# Altium PCB PCB_Gateway.PcbDoc (part 1 of 2)
Units mil, origin at the board's own origin, x right, y up, seen from the top; angles counter-clockwise.
Board outline 3595 x 2205 mil, 2 copper layers (Top Layer, Bottom Layer); 108 components, 73 nets, 446 pads, 140 vias.
Unrouted connection lines stored in the file: 5.
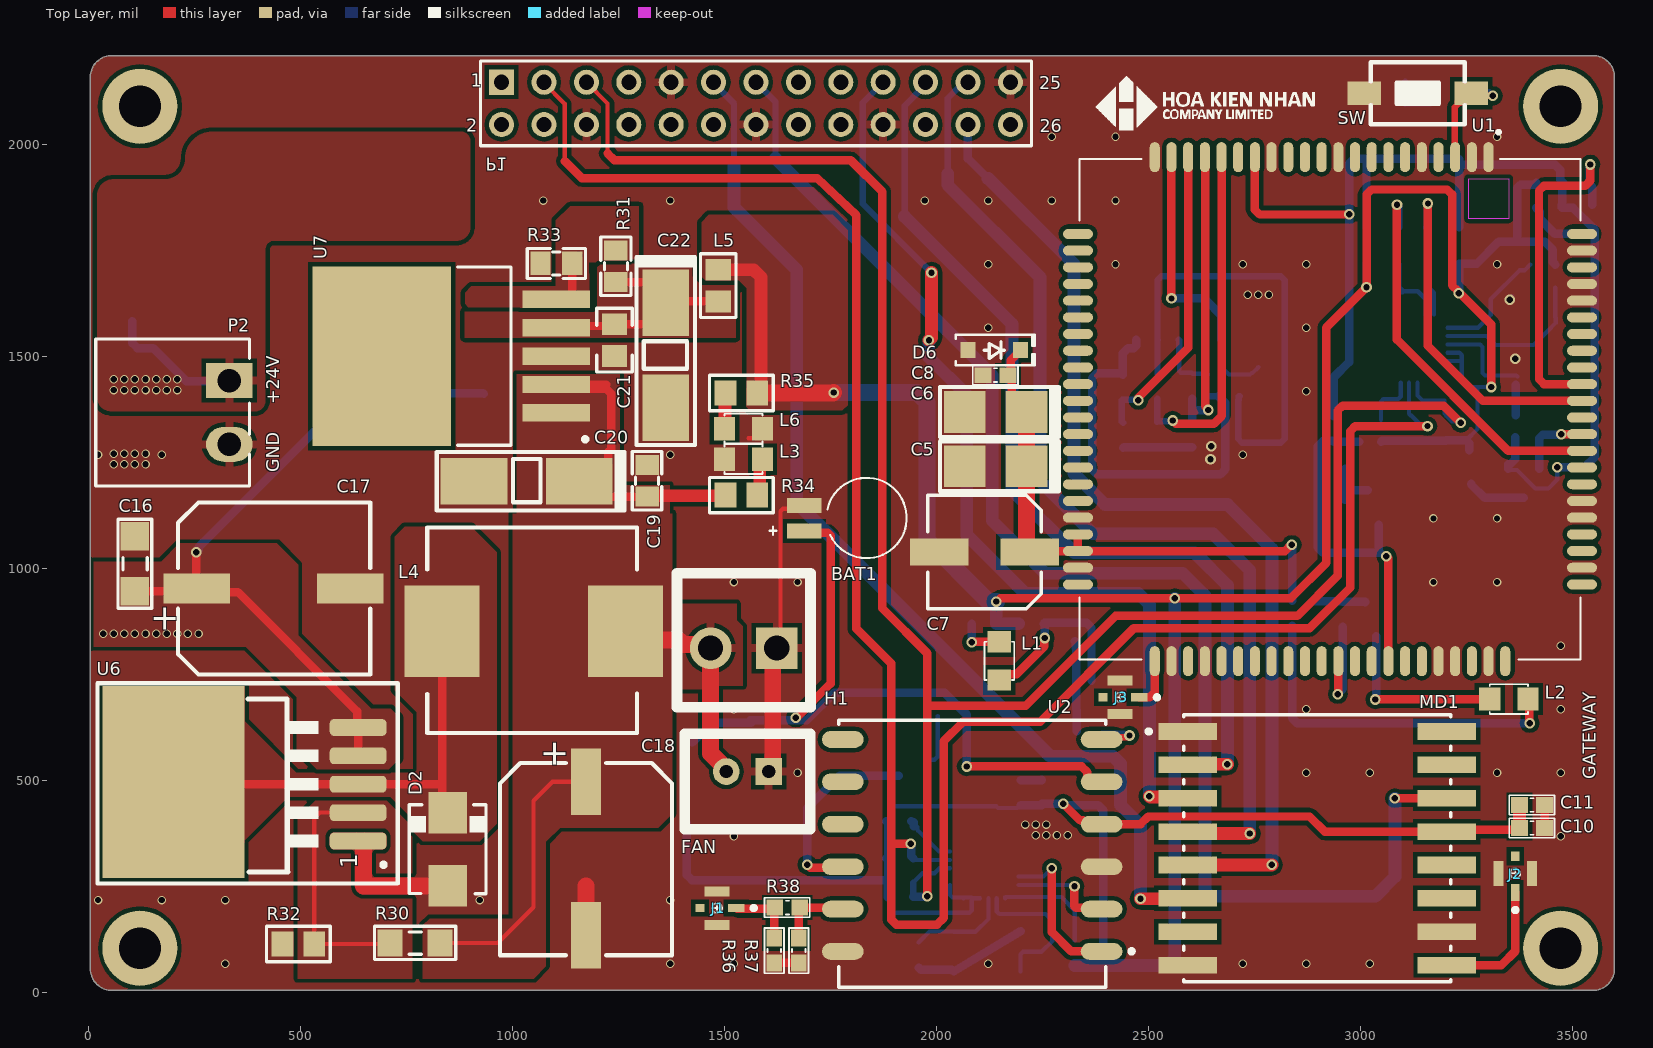
[diagram p0: Top Layer view]
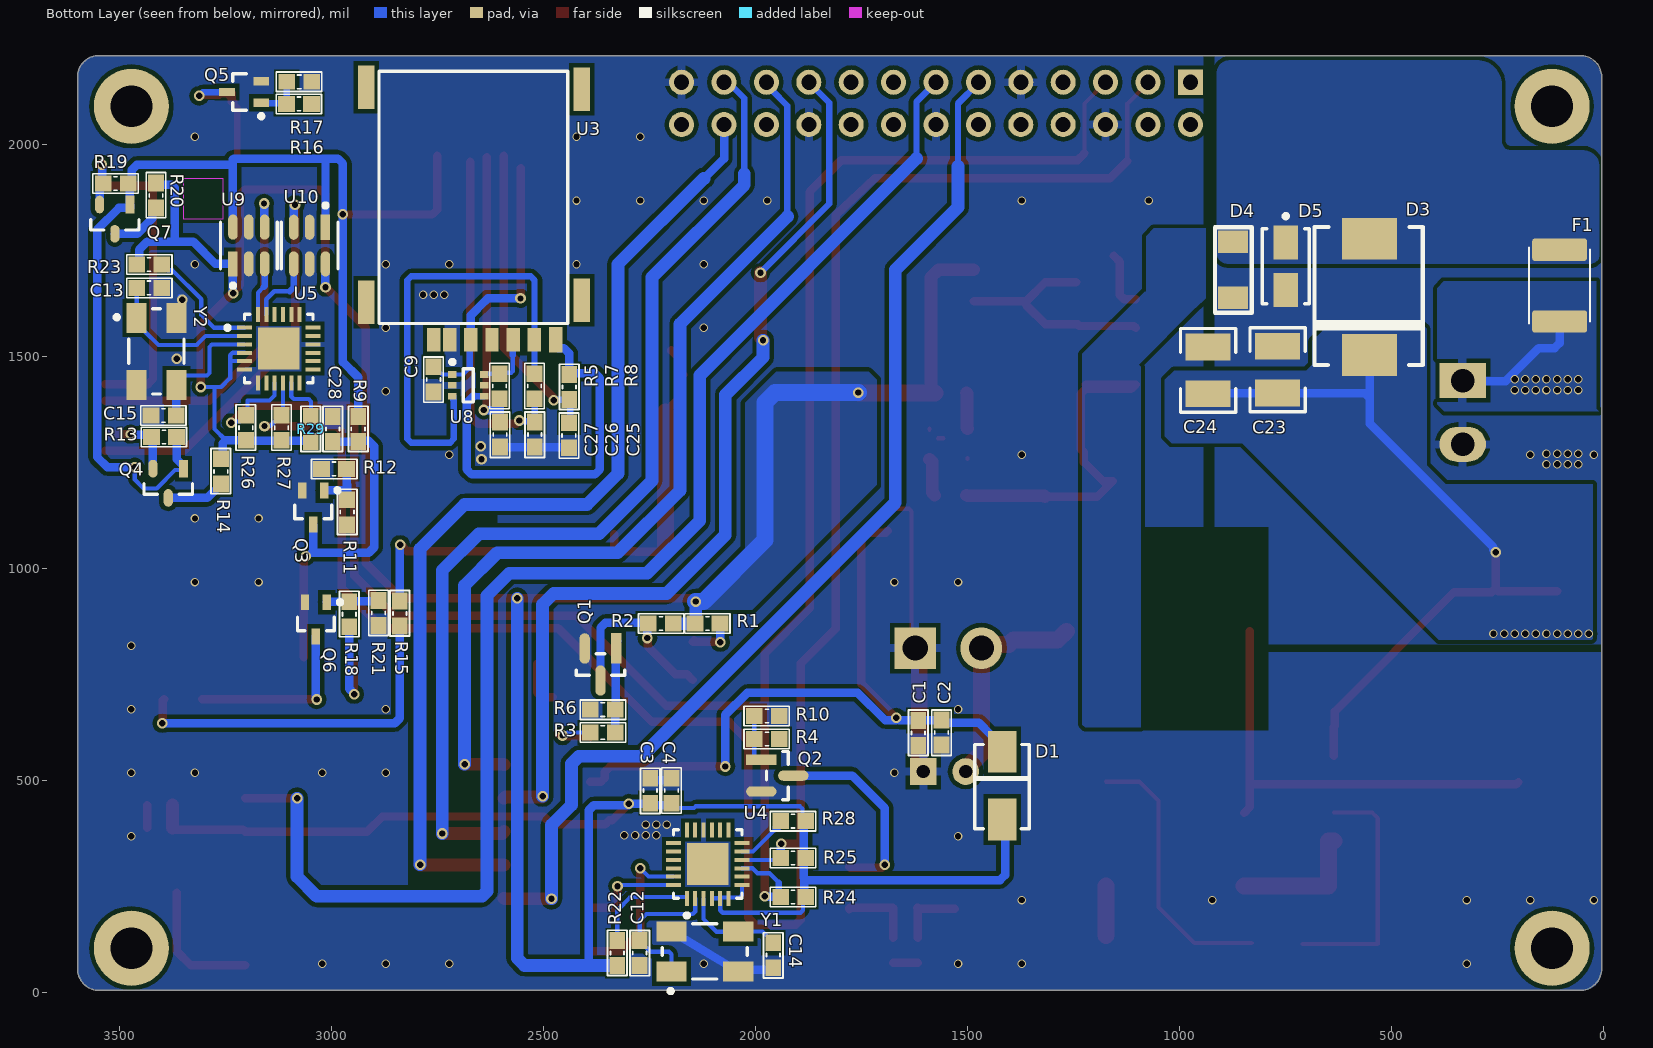
[diagram p1: Bottom Layer view, seen from below]
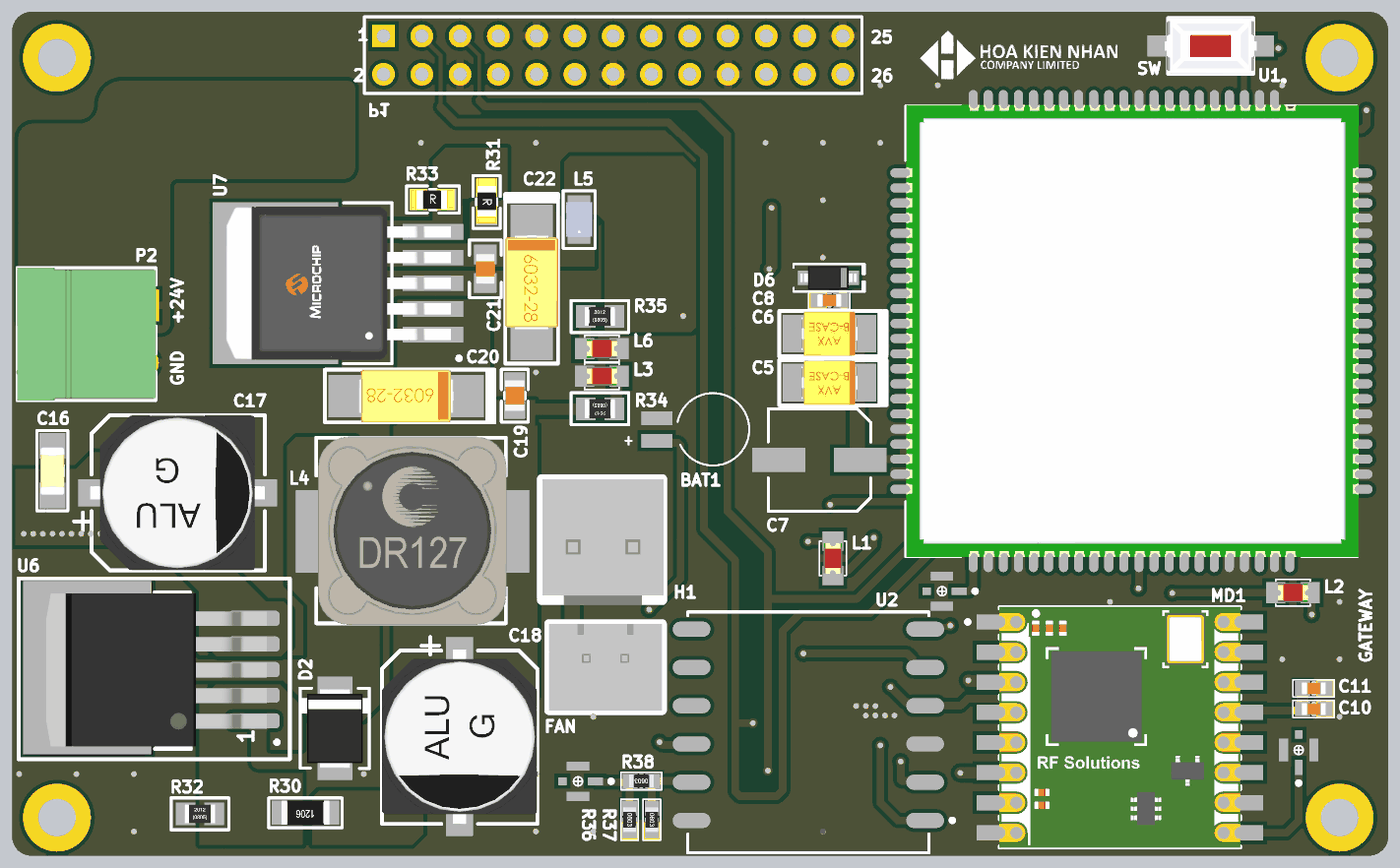
[diagram p3: 3D render of the assembled board from above, using the file's embedded part models]
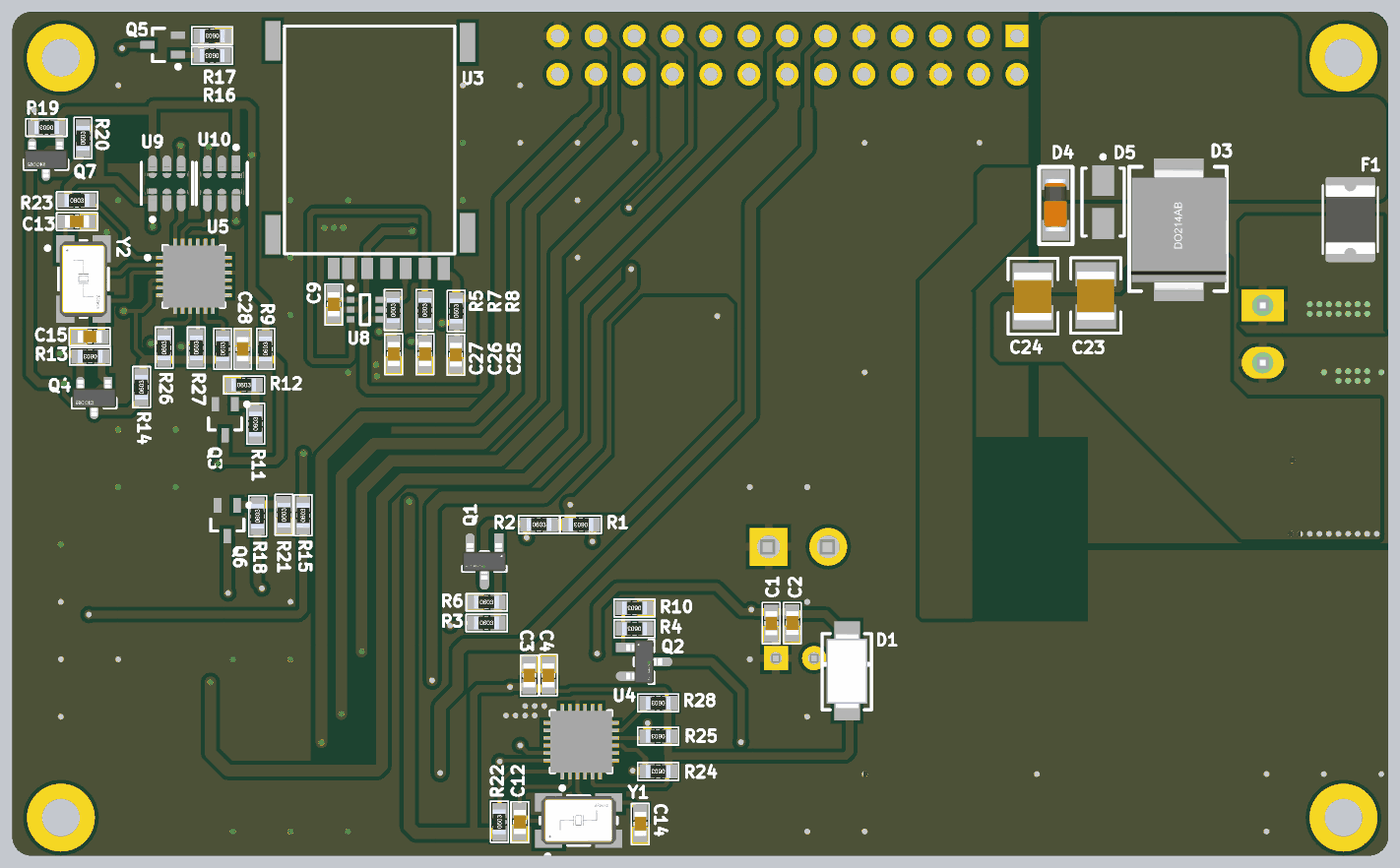
[diagram p4: 3D render of the assembled board from below, using the file's embedded part models]

## Layer stack, top to bottom
Top Solder: solder mask 0.4, Solder Resist, Dk 3.5
Top Layer: signal copper 1.4
Dielectric 1: dielectric 12.6, FR-4, Dk 4.8
Bottom Layer: signal copper 1.4
Bottom Solder: solder mask 0.4, Solder Resist, Dk 3.5

## Board outline
5,55 5,2160 cw(c55,2160) 55,2210 3550,2210 cw(c3550,2160) 3600,2160 3600,55 cw(c3550,55) 3550,5 55,5 cw(c55,55)

## Design rules (kind name [scope] priority, off if disabled: settings)
Clearance Clearance_5 [InNamedPolygon('GND_L01_P034')] p1: gap=25 ignorepadtopadclearanceinfootprint=FALSE
Clearance Clearance_4 [InNamedPolygon('GND_BOT')] p2: gap=25 ignorepadtopadclearanceinfootprint=FALSE
Clearance Clearance_3 [InNamedPolygon('GND_TOP')] p3: gap=25 ignorepadtopadclearanceinfootprint=FALSE
Clearance Clearance_2 [InNamedPolygon('BOT_GND')] p4: gap=25 ignorepadtopadclearanceinfootprint=FALSE
Clearance Clearance_1 [InNamedPolygon('TOP_GND')] p5: gap=25 ignorepadtopadclearanceinfootprint=FALSE
Clearance [All] p6: gap=10 ignorepadtopadclearanceinfootprint=FALSE except(0: Arc-Hole Track-Hole SMDPad-Hole THPad-Hole Via-Hole Fill-Hole Poly-Hole Region-Hole Text-Hole; 5: Arc-Arc Arc-Track Arc-SMDPad Arc-THPad Track-Track Track-SMDPad Track-THPad SMDPad-SMDPad SMDPad-THPad THPad-THPad)
HoleToHoleClearance [All] p1: gap=5 allowstackedmicrovias=TRUE
MinimumSolderMaskSliver [IsText] p1: minsoldermaskwidth=5
PolygonConnect PolygonConnect_1 [All vs IsNamedPolygon('+5_L01_P036')] p1: connectstyle=Direct reliefconductorwidth=10 reliefentries=4 polygonreliefangle="90 Angle" airgapwidth=10
PolygonConnect [All] p2: thpad.connectstyle=Relief thpad.reliefconductorwidth=20 thpad.reliefentries=4 thpad.polygonreliefangle="90 Angle" thpad.airgapwidth=10 smdpad.connectstyle=Direct smdpad.reliefconductorwidth=20 smdpad.reliefentries=4 smdpad.polygonreliefangle="90 Angle" smdpad.airgapwidth=10 via.connectstyle=Direct via.reliefconductorwidth=20 via.reliefentries=4 via.polygonreliefangle="90 Angle" via.airgapwidth=10
RoutingVias [All] p1: holewidth=15 width=25 viastyle="Through Hole" minholewidth=15 minwidth=25 maxholewidth=15 maxwidth=50
SilkToSilkClearance [IsText] p1: silktosilkclearance=5
SilkToSolderMaskClearance [IsText] p1: minsilkscreentomaskgap=5 clearancetoexposedcopper=TRUE
SolderMaskExpansion [IsVia] p1: expansion=4 istentingtop=TRUE
Width [All] p1: maxlimit=40 minlimit=10 preferedwidth=20
26 further rules are at their usual default settings.

## Classes and differential pairs
component class [4]_SIM: C5 C6 C7 C8 C9 C25 C26 C27 C28 D6 J3 L2 Q3 Q4 Q5 Q6 Q7 R5 R7 R8 R9 R11 R12 R13 R14 R15 R16 R17 R18 R19 R20 R21 SW U1 U3 U8 U9 U10
component class [1]_Power: C16 C17 C18 C19 C20 C21 C22 C23 C24 D2 D3 D4 D5 F1 FAN H1 L3 L4 L5 L6 P2 R30 R31 R32 R33 R34 R35 U6 U7
component class [3]_I2C_TO_UART: C12 C13 C14 C15 R22 R23 R24 R25 R26 R27 R28 R29 U4 U5 Y1 Y2
component class [2]_ARM: BAT1 C1 C2 C3 C4 C10 C11 D1 J1 J2 L1 MD1 P1 Q1 Q2 R1 R2 R3 R4 R6 R10 R36 R37 R38 U2

## Components (designator, comment, footprint, x,y, rotation, side; value= is the part's Value field where it differs from the comment)
BAT1 "BAT_MS412FE" MS412FE 1938,1218 r180 top
C1 "10uF" "tu 0603" 1617,612 r90 bottom
C2 "100nF" "tu 0603" 1562,613 r270 bottom
C3 "10uF" "tu 0603" 2249,476 r270 bottom
C4 "100nF" "tu 0603" 2199,476 r90 bottom
C5 "10uF" "tu tantalum smd3528" 2140,1241 r180 top
C6 "10uF" "tu tantalum smd3528" 2140,1369 r180 top
C7 "330uF/6.3V" NIC-CAPA2-6.3X7.7_V 2114,1039 r180 top
C8 "1uF" "tu 0603" 2140,1456 r180 top
C9 "100nF" "tu 0603" 2760,1446 r270 bottom
C10 "10uF" "tu 0603" 3405.53,388 r180 top
C11 "100nF" "tu 0603" 3405.53,442 r180 top
C12 "18pF" "tu 0603" 2274,93 r270 bottom
C13 "18pF" "tu 0603" 3431,1662 r180 bottom
C14 "18pF" "tu 0603" 1959,88 r270 bottom
C15 "18pF" "tu 0603" 3397,1361 r0 bottom
C16 "1uF/50V" 1206 74,1104.04 r270 top
C17 "470uF/35V" CAP_10_10 208.9,752 r0 top
C18 "470uF/35V" CAP_10_10 973,543.9 r270 top
C19 "1uF/0805" "tu 0805" 1318,1207 r90 top
C20 "10uF/16V" 2312 1162.98,1212 r180 top
C21 "100nF/50V" C0805 1321,1408.6 r90 top
C22 "10uF/16V" 2312 1356,1632.02 r270 top
C23 "10uF/50V" 1210 865,1564.88 r270 bottom
C24 "10uF/50V" 1210 1029,1563.12 r270 bottom
C25 "33pF" "tu 0603" 2441,1314 r270 bottom
C26 "33pF" "tu 0603" 2521.5,1316 r270 bottom
C27 "33pF" "tu 0603" 2603.5,1316.03 r270 bottom
C28 "100nF" "tu 0603" 2998,1329 r90 bottom
D1 "1N5819" DO-214AA 1338,334.98 r90 bottom
D2 "SS54" DO-SMB-2 847,347 r90 top
D3 "MBRS340T3" DO214AB_SMC 687,1809.28 r270 bottom
D4 "RLZ30B" SOD_80 819,1610.05 r90 bottom
D5 "SMAJ28A-E3/61" VISH-DO-214AC-2_L 750,1713 r270 bottom
D6 "BZT52C5V1" "DIODE SOD-123" 2137,1515 r0 top
F1 "MF-MSMF150/24X-2" 1812 20,1543.35 r90 bottom
FAN "FAN" XH2.54M-2 1605,521 r180 top (schematic designator H2)
H1 "jack 5v" VH3.96M-2 1546.05,812 r180 top
J1 "ANTEN GPS" TG-RECE-20369-001E-4_V 1483,199 r90 top
J2 "ANTEN GPS" TG-RECE-20369-001E-4_V 3366,281 r0 top
J3 "ANTEN GPS" TG-RECE-20369-001E-4_V 2434,696 r90 top
L1 "LED 0805" LED-0805-Red 2149,827 r270 top
L2 "LED 0805" LED-0805-Red 3396,692 r180 top
L3 "LED 0805" LED-0805-Red 1590.54,1258 r180 top
L4 "33uH/4.2A" IND-12_12_8 1051,852 r0 top
L5 "80Ohm/2.7A" "FER-0805 (2012)" 1534,1587.4 r90 top
L6 "LED 0805" LED-0805-Red 1500.54,1330 r0 top
MD1 "RFM95W-868S2" FP-RFM95W-868S2-MFG 2899,340 r0 top
P1 "Header 13X2" HDR2X13 975,2147 r0 top
P2 "KF-3.81-2-R" 691322310002 199,1368 r270 top
Q1 "MMBT2222A" SOT_23_3 2287.4,872.36 r0 bottom
Q2 "MMBT2222A" SOT_23_3 2048,590.4 r270 bottom
Q3 "BC847BW" INF-SOT323_N 3044,1144 r270 bottom
Q4 "BSS138" FP-SOT23-IPC_C 3386,1201 r270 bottom
Q5 "BC847BW" INF-SOT323_N 3207,2124 r0 bottom
Q6 "BC847BW" INF-SOT323_N 3038,880 r270 bottom
Q7 "BSS138" FP-SOT23-IPC_C 3512,1824 r270 bottom
R1 "1k" "tro smd 0603" 2114,870 r0 bottom
R2 "10K" "tro smd 0603" 2224,870 r180 bottom
R3 "4.7k" "tro smd 0603" 2361,613 r180 bottom
R4 "4.7k" "tro smd 0603" 1974,598 r0 bottom
R5 "220R" "tro smd 0603" 2604.5,1430.03 r90 bottom
R6 "10K" "tro smd 0603" 2361,667 r180 bottom
R7 "220R" "tro smd 0603" 2522,1430 r90 bottom
R8 "220R" "tro smd 0603" 2440,1428 r90 bottom
R9 "4.7k" "tro smd 0603" 2938,1329 r90 bottom
R10 "10K" "tro smd 0603" 1974,652 r0 bottom
R11 "4.7k" "tro smd 0603" 2964,1133 r90 bottom
R12 "47K" "tro smd 0603" 2995,1235 r180 bottom
R13 "4.7K" "tro smd 0603" 3396,1310 r0 bottom
R14 "4.7K" "tro smd 0603" 3262,1229 r90 bottom
R15 "3.3k" "tro smd 0603" 2840,894 r90 bottom
R16 "4.7k" "tro smd 0603" 3077.47,2096 r0 bottom
R17 "47K" "tro smd 0603" 3077,2148 r0 bottom
R18 "4.7k" "tro smd 0603" 2959,892 r90 bottom
R19 "4.7K" "tro smd 0603" 3510,1908 r0 bottom
R20 "4.7K" "tro smd 0603" 3415,1880 r90 bottom
R21 "47k" "tro smd 0603" 2890,895 r90 bottom
R22 "1k" "tro smd 0603" 2327,93 r90 bottom
R23 "1k" "tro smd 0603" 3431,1717 r180 bottom
R24 "4.7k" "tro smd 0603" 1912,225 r0 bottom
R25 "4.7k" "tro smd 0603" 1912,317 r0 bottom
R26 "4.7k" "tro smd 0603" 3203,1332 r90 bottom
R27 "4.7k" "tro smd 0603" 3119,1332 r90 bottom
R28 "1k" "tro smd 0603" 1912,404 r0 bottom
R29 "1k" "tro smd 0603" 3050,1329 r90 bottom
R30 "10.5K" R1206 771.06,116.73 r180 top
R31 "24.9K" "tro smd 0805" 1247,1713 r270 top
R32 "2K" R0805 375.4,39 r0 top
R33 "15K" "tro smd 0805" 1104,1722 r0 top
R34 "1K" R0805 1660.4,1248 r180 top
R35 "1K" R0805 1420.4,1339 r0 top
R36 "0" "tro smd 0603" 1618,99 r270 top
R37 "0" "tro smd 0603" 1676,99 r270 top
R38 "0" "tro smd 0603" 1649,200 r180 top
SW "Tactile" "SW 2P SMD" 3306.02,2219 r180 top
U1 "A7600C-L1" SIMA7600C 2275,1951.83 r270 top
U2 "L80-M39" QUEC-L80-M39-12_V 2085,327 r180 top
U3 "MicroSim" Micro-Sim-7P 2404.84,2182.99 r0 bottom
U4 "SC16IS750IBS,128" FP-SOT616-3-MFG 2113.53,302.71 r90 bottom
U5 "SC16IS750IBS,128" FP-SOT616-3-MFG 3125.28,1518.72 r180 bottom
U6 "IC_XL4015-5V" TO-263-5 719,256 r90 top
U7 "MIC29302WU-TR" FP-C04-012-MFG 807.25,1501 r90 top
U8 "SMF05CT2G" ONSC-SC70-6-419B-02_W_V 2678.4,1432 r180 bottom
U9 "SN74LVC1T45DBVR" FP-DBV0006A-IPC_B 3196,1762 r90 bottom
U10 "SN74LVC1T45DBVR" FP-DBV0006A-IPC_B 3052.6,1761.67 r270 bottom
Y1 "ABM3B-14.7456MHZ-10-1-U-T" FP-ABM3B-MFG 2120.26,96.76 r180 bottom
Y2 "ABM3B-14.7456MHZ-10-1-U-T" FP-ABM3B-MFG 3414,1512 r270 bottom

## Footprints (in the part's own frame and the unit in brackets; to place one, negate y for a bottom-side part, rotate by r counter-clockwise, add the part's x,y. Pads: shape width x height; smd on the part's side, far side on the other; paste and mask are expansions set on the pad)
1206 [mm]
  rect 1.7x1.7 smd: 1(0.712,0.914) 2(4.012,0.914)
  silkscreen extent -0.3,-0.1 5.03,1.93, body extent 0.79,0.11 3.99,1.71, height 0.94
1210 [mm]
  rect 1.6x2.7 smd: 1(1.038,2.438) 2(3.838,2.438)
  silkscreen extent -0.07,0.78 4.95,4.1, body extent 0.85,1.18 4.05,3.68, height 1.3
1812 [mm]
  rrect25% 1.34x3.29 smd: 1(1,2.134) 2(5.3,2.134)
  silkscreen extent 0.87,0.31 5.43,3.96, body extent 0.87,0.51 5.42,3.75, height 1.25
2312 [mm]
  rect 4x2.8 smd: 1(0.127,0.152) 2(6.427,0.152)
  silkscreen extent -2.59,-1.6 8.66,1.9, body extent 0.13,-1.6 6.43,1.9, height 2.79
691322310002 [mm] "Horizontal PCB Header, pitch 3.81mm, 02p"
  rect 2.1x2.794 hole 1.4: 1(-1.905,3.4)
  oval 2.1x2.794 hole 1.4: 2(1.905,3.4)
  silkscreen extent -4.4,-4.6 4.41,4.6, body extent -4.4,-4.6 4.41,4.6, height 7.25
C0805 [mm]
  rect 1.3x1.5 smd: 1(2.352,2.032) 2(4.252,2.032)
  silkscreen extent 1.39,0.97 5.21,3.09, body extent 2.3,1.41 4.3,2.66, height 0.7
CAP_10_10 [mm]
  rect 4x1.8 smd: 1(1.191,5.105) 2(10.391,5.105)
  silkscreen extent 0.08,-0.04 11.59,10.26, body extent -0.01,-0.04 11.59,10.26, height 10.2
"DIODE SOD-123" [mm] "SOD-123"
  rect 0.9x0.95 smd: 1(-1.575,0) 2(1.575,0)
  silkscreen extent -2.3,-0.92 2.41,0.92, body extent -1.86,-0.78 1.86,0.77, height 1.35
DO214AB_SMC [mm] "DIODE_DO214AB_SMC Type"
  rect 2.5x3.3 smd: 1(0.795,3.429) 2(7.765,3.429)
  silkscreen extent 0.1,0.13 8.36,6.6, body extent 0.23,0.28 8.36,6.58, height 2.67
DO-214AA [mm]
  rect 2.5x1.7 smd: 1(1.854,2.057) 2(5.919,2.057)
  silkscreen extent 1.3,0.43 6.35,3.76, body extent 1.36,0.71 6.36,3.41, height 2.25
DO-SMB-2 [mm] "D?"
  rect 2.5x2.3 smd: 1(-2.427,-0.026) 2(1.944,-0.026)
  silkscreen extent -2.91,-2.34 2.43,2.29, body extent -2.9,-1.88 2.4,1.82, height 2.3
"FER-0805 (2012)" [mm]
  rect 1.3x1.5 smd: 1(1.082,1.219) 2(2.982,1.219)
  silkscreen extent 0.12,0.16 3.94,2.28, body extent 0.89,0.35 3.18,2.08, height 1.51
FP-ABM3B-MFG [mm]
  rect 1.8x1.2 smd paste+0 mask+0: 1(-2,-1.2) 2(2,-1.2) 3(2,1.2) 4(-2,1.2)
  silkscreen extent -2.55,-2.5 2.55,1.65, body extent -2.5,-1.6 2.5,1.6, height 1.1
FP-C04-012-MFG [mil]
  rect 41x159 smd paste+0 mask+0: 1(-134,-296.75) 2(-67,-296.75) 3(0,-296.75) 4(67,-296.75) 5(134,-296.75)
  rect 423x327 smd paste+0 mask+0: 6(0,114.75)
  silkscreen extent -210,-370 210,-64, body extent -215,-380 215,282, height 10
FP-DBV0006A-IPC_B [mm]
  rect 1.505x0.57 smd paste+0 mask+0: 1(-1.1,0.95)
  rrect100% 1.505x0.57 smd paste+0 mask+0: 2(-1.1,0) 3(-1.1,-0.95) 4(1.1,-0.95) 5(1.1,0) 6(1.1,0.95)
  silkscreen extent -2.53,-1.7 1.4,1.7, body extent -1.4,-1.45 1.4,1.45, height 1.45
FP-RFM95W-868S2-MFG [mm]
  rect 3.5x1 smd paste+0 mask+0: 1(-7.75,7) 2(-7.75,5) 3(-7.75,3) 4(-7.75,1) 5(-7.75,-1) 6(-7.75,-3) 7(-7.75,-5) 8(-7.75,-7) 9(7.75,-7) 10(7.75,-5) 11(7.75,-3) 12(7.75,-1) 13(7.75,1) 14(7.75,3) 15(7.75,5) 16(7.75,7)
  silkscreen extent -10.22,-8 8,8, body extent -9.6,-8.1 9.6,8.1, height 0.25
FP-SOT23-IPC_C [mm]
  rect 1.059x0.547 smd paste+0 mask+0: 1(-0.877,0.915)
  rrect100% 1.059x0.547 smd paste+0 mask+0: 2(-0.877,-0.915) 3(0.877,0)
  silkscreen extent 0.03,-1.45 0.65,1.45, body extent -1.2,-1.45 1.2,1.45, height 1.1
FP-SOT616-3-MFG [mm]
  rect 0.9x0.24 smd paste-1000 mask+0: 1(-2.05,1.25) 2(-2.05,0.75) 3(-2.05,0.25) 4(-2.05,-0.25) 5(-2.05,-0.75) 6(-2.05,-1.25) 13(2.05,-1.25) 14(2.05,-0.75) 15(2.05,-0.25) 16(2.05,0.25) 17(2.05,0.75) 18(2.05,1.25)
  rect 0.24x0.9 smd paste-1000 mask+0: 7(-1.25,-2.05) 8(-0.75,-2.05) 9(-0.25,-2.05) 10(0.25,-2.05) 11(0.75,-2.05) 12(1.25,-2.05) 19(1.25,2.05) 20(0.75,2.05) 21(0.25,2.05) 22(-0.25,2.05) 23(-0.75,2.05) 24(-1.25,2.05)
  rect 2.5x2.5 smd paste-1000 mask+0: 25(0,0)
  silkscreen extent -3.2,-2.05 2.05,2.05, body extent -2.05,-2.05 2.05,2.05, height 1
HDR2X13 [mm] "Connector; Header; 13x2 Position"
  rect 1.5x1.5 hole 0.9: 1(0,0)
  round 1.5 hole 0.9: 2(0,-2.54) 3(2.54,0) 4(2.54,-2.54) 5(5.08,0) 6(5.08,-2.54) 7(7.62,0) 8(7.62,-2.54) 9(10.16,0) 10(10.16,-2.54) 11(12.7,0) 12(12.7,-2.54) 13(15.24,0) 14(15.24,-2.54) 15(17.78,0) 16(17.78,-2.54) 17(20.32,0) 18(20.32,-2.54) 19(22.86,0) 20(22.86,-2.54) 21(25.4,0) 22(25.4,-2.54) 23(27.94,0) 24(27.94,-2.54) 25(30.48,0) 26(30.48,-2.54)
  silkscreen extent -1.27,-3.81 31.75,1.27
IND-12_12_8 [mm]
  rect 4.5x5.5 smd: 1(-5.5,0) 2(5.5,0)
  silkscreen extent -6.39,-6.1 6.18,6.22, body extent -6.27,-6.2 6.23,6.3, height 8
INF-SOT323_N [mm] "SOT23, 3-Leads, Body 2x1.25 mm, Pitch 0.65 mm, IPC Medium Density"
  rect 0.95x0.5 smd: 1(-1.025,0.65) 2(-1.025,-0.65) 3(1.025,0)
  silkscreen extent -1.15,-1.1 0.67,1.57, body extent -0.67,-1.1 0.67,1.1, height 1
LED-0805-Red [mil]
  rect 50x55 smd: 1(0,0) 2(90,0)
  silkscreen extent 0,-35 90,35, body extent 5,-25 85,25, height 43
Micro-Sim-7P [mm]
  rect 0.8x1.4 smd: C1(6.794,16.343) C2(4.254,16.343) C5(8.064,16.343) C6(5.524,16.343) C7(2.984,16.343) CD(9.014,16.343)
  rect 0.8x1.5 smd: C3(1.714,16.343)
  rect 1x2.61 smd: ""(0.144,1.346) ""(0.144,13.976) ""(13.06,1.219) ""(13.06,14.103)
  silkscreen extent 0.99,0.25 12.29,15.37
MS412FE [mm]
  rect 2.05x0.9 smd: N(6.325,1.777) P(6.325,3.277)
  silkscreen extent 0.19,0.11 8.4,4.92
NIC-CAPA2-6.3X7.7_V [mm] "Aluminum Electrolytic Capacitor, Diameter 6.3mm, Height 8mm, Pitch 5.4mm"
  rect 3.5x1.6 smd: 1(-2.7,0) 2(2.7,0)
  silkscreen extent -3.4,-3.4 3.4,3.4, body extent -3.14,-3.12 3.14,3.15, height 8
ONSC-SC70-6-419B-02_W_V [mm] "SOT23, 6-Leads, Body 2x1.25mm, Pitch 0.65mm"
  rect 0.5x0.4 smd: 1(-0.95,0.65) 2(-0.95,0) 3(-0.95,-0.65) 4(0.95,-0.65) 5(0.95,0) 6(0.95,0.65)
  silkscreen extent -1.08,-1 0.3,1.52, body extent -0.63,-1 0.63,1, height 1.1
QUEC-L80-M39-12_V [mm] "SMD, 12-Leads, Body 16x16mm, Pitch 2.54mm"
  rrect100% 2.5x1 smd: 1(-7.75,5.85) 2(-7.75,3.31) 3(-7.75,0.77) 4(-7.75,-1.77) 5(-7.75,-4.31) 6(-7.75,-6.85) 7(7.75,-6.85) 8(7.75,-4.31) 9(7.75,-1.77) 10(7.75,0.77) 11(7.75,3.31) 12(7.75,5.85)
  silkscreen extent -9.68,-8 8,8, body extent -8,-8 8,8, height 6.45
R0805 [mm]
  rect 1.3x1.5 smd: 1(2.098,1.905) 2(3.998,1.905)
  silkscreen extent 1.14,0.85 4.96,2.96, body extent 2.05,1.28 4.05,2.53, height 0.45
R1206 [mm]
  rect 1.5x1.6 smd: 1(-1.5,0) 2(1.5,0)
  silkscreen extent -2.44,-0.99 2.44,0.99, body extent -1.6,-0.8 1.6,0.8, height 0.6
SIMA7600C [mm]
  oval 1.8x0.6 smd: 1(-0.47,26.112) 2(-0.47,25.112) 3(-0.47,24.112) 4(-0.47,23.112) 5(-0.47,22.112) 6(-0.47,21.112) 7(-0.47,20.112) 8(-0.47,19.112) 9(-0.47,18.112) 10(-0.47,17.112) 11(-0.47,16.112) 12(-0.47,15.112) 13(-0.47,14.112) 14(-0.47,13.112) 15(-0.47,12.112) 16(-0.47,11.112) 17(-0.47,10.112) 18(-0.47,9.112) 19(-0.47,8.112) 20(-0.47,7.112) 41(29.73,7.112) 42(29.73,8.112) 43(29.73,9.112) 44(29.73,10.112) 45(29.73,11.112) 46(29.73,12.112) 47(29.73,13.112) 48(29.73,14.112) 49(29.73,15.112) 50(29.73,16.112) 51(29.73,17.112) 52(29.73,18.112) 53(29.73,19.112) 54(29.73,20.112) 55(29.73,21.112) 56(29.73,22.112) 57(29.73,23.112) 58(29.73,24.112) 59(29.73,25.112) 60(29.73,26.112) 81(-0.47,6.112) 82(29.73,6.112) 85(29.73,27.112)
  oval 0.6x1.8 smd: 21(5.13,1.512) 22(6.13,1.512) 23(7.13,1.512) 24(8.13,1.512) 25(9.13,1.512) 26(10.13,1.512) 27(11.13,1.512) 28(12.13,1.512) 29(13.13,1.512) 30(14.13,1.512) 31(15.13,1.512) 32(16.13,1.512) 33(17.13,1.512) 34(18.13,1.512) 35(19.13,1.512) 36(20.13,1.512) 37(21.13,1.512) 38(22.13,1.512) 39(23.13,1.512) 40(24.13,1.512) 61(24.13,31.712) 62(23.13,31.712) 63(22.13,31.712) 64(21.13,31.712) 65(20.13,31.712) 66(19.13,31.712) 67(18.13,31.712) 68(17.13,31.712) 69(16.13,31.712) 70(15.13,31.712) 71(14.13,31.712) 72(13.13,31.712) 73(12.13,31.712) 74(11.13,31.712) 75(10.13,31.712) 76(9.13,31.712) 77(8.13,31.712) 78(7.13,31.712) 79(6.13,31.712) 80(5.13,31.712) 83(25.13,1.512) 84(4.13,1.512) 86(4.13,31.712) 87(25.13,31.712)
  Keep-Out Layer region: 3.23,24.912 0.83,24.912 0.83,27.312 3.23,27.312
  silkscreen extent -2.07,1.61 29.63,31.61, body extent -0.38,1.68 29.62,31.68, height 3.48
SOD_80 [mm]
  rect 1.35x1.8 smd: 1(0.738,1.397) 2(4.088,1.397)
  silkscreen extent -0.18,0.28 4.95,2.49, body extent 0.66,0.66 4.16,2.16, height 1.45
SOT_23_3 [mil]
  rect 24.33x71.82 smd paste+0 mask+0: 1(41.6,61)
  rrect100% 24.33x71.82 smd paste+0 mask+0: 2(116.4,61) 3(79,136.61)
  silkscreen extent 22,73 136,124, body extent 22,52 136,146, height 44
"SW 2P SMD" [mm]
  rect 2x1.4 smd: 1(1.118,2.489) 2(7.518,2.489)
  silkscreen extent 1.5,0.64 7.14,4.34, body extent 1.27,0.64 7.37,4.34, height 2.5
TG-RECE-20369-001E-4_V [mm] "Hand Drawn, 4-Leads, Body 1.7x1.7mm"
  rect 0.5x1 smd: 1(0,-1.15)
  rect 0.6x1.5 smd: 2(1,0) 3(-1,0)
  rect 0.5x0.55 smd: 4(0,1.025)
  silkscreen extent -0.3,-2.32 0.3,0.3, body extent -0.85,-0.85 0.85,0.85, height 0.85
TO-263-5 [mm]
  rrect50% 1x3.4 smd: 1(2.572,2.097) 2(4.272,2.097) 4(7.672,2.097) 5(9.372,2.097)
  rrect50% 1x3.4 smd mask+0: 3(5.972,2.097)
  rect 11.5x8.5 smd: 3(6.096,13.157)
  rect 11.5x8.5 on Top Solder: ""(6.045,13.081)
  silkscreen extent 0.02,-0.28 12.02,17.72, body extent 0.86,1.23 11.02,15.87, height 4.57
"tro smd 0603" [mm] "Chip Capacitor, 2-Leads, Body 1,60x0,80mm, IPC Medium Density"
  rect 1x0.95 smd mask+0.076: 1(-0.75,0) 2(0.75,0)
  silkscreen extent -1.35,-0.58 1.37,0.58, body extent -0.82,-0.42 0.82,0.43, height 0.44
"tro smd 0805" [mm]
  rect 1.2x1.4 smd: 1(-0.946,-0.061) 2(0.954,-0.061)
  silkscreen extent -1.75,-0.97 1.75,0.84, body extent -1.56,-0.76 1.44,0.64, height 0.53
"tu 0603" [mm] "Chip Capacitor, 2-Leads, Body 1,60x0,80mm, IPC Medium Density"
  rect 1x0.95 smd mask+0.076: 1(-0.75,0) 2(0.75,0)
  silkscreen extent -1.35,-0.58 1.37,0.58, body extent -0.8,-0.4 0.8,0.4, height 0.9
"tu 0805" [mm] "Compoment SMD 80x50mil"
  rect 1.2x1.4 smd: 1(-0.946,-0.003) 2(0.954,-0.003)
  silkscreen extent -1.75,-0.89 1.75,0.89, body extent -1.01,-0.64 1.01,0.63, height 0.61
"tu tantalum smd3528" [mm]
  rect 2.5x2.5 smd: 1(-1.85,0) 2(1.85,0)
  silkscreen extent -3.78,-1.5 3.33,1.5, body extent -1.85,-1.46 1.85,1.47, height 2.03
VH3.96M-2 [mm]
  rect 2.5x2.5 hole 1.5: 1(-1.98,0)
  round 2.5 hole 1.5: 2(1.98,0)
  silkscreen extent -4,-4.5 4,3.54, body extent -4.08,-4.49 3.96,3.88, height 10.26
VISH-DO-214AC-2_L [mm] "DO-214AC, 2-Leads, Body 4.5x2.79mm, IPC High Density"
  rect 2.05x1.45 smd: 1(-1.425,0) 2(1.425,0)
  silkscreen extent -3.12,-1.4 2.25,1.4, body extent -2.25,-1.4 2.25,1.4, height 2.29
XH2.54M-2 [mm]
  rect 1.6x1.6 hole 0.8: 1(0,0)
  round 1.6 hole 0.8: 2(2.54,0)
  silkscreen extent -2.48,-2.26 5.02,3.46, body extent -2.48,-2.26 5.02,3.48, height 6.91

## Part data
C1 C3 C9 C10 C28: library part "Tu 0603 105 16V 20%", "Dán", Chung_Loai=Dán, Don_Vi=Con, Ma_Hang=MH004574, So_Chan=2, Ten_Linh_Kien="Tụ 0603 105-1uF 20% 16V"
C2 C4 C8 C11 C25 C26 C27: library part "Tu 0603 104 50V 10%", "Dán", Chung_Loai=Dán, Don_Vi=Con, Ma_Hang=MH004568, So_Chan=2, Ten_Linh_Kien="Tụ 0603 104-100nF 10% 50V"
C5 C6: library part "Tu tantalum 10uF 16V SMD3528", "Dán", Chung_Loai=Dán, ComponentLink1Description="New link", ComponentLink1URL=https://www.thegioiic.com/tu-tantalum-100uf-6-3v-1210-tajb107k006rnj, Don_Vi=Con, Ma_Hang=MH007474, So_Chan=2, Ten_Linh_Kien="Tụ tantalum 106C-10uF 16V SMD3528"
C7: library part CMP-0687-00058-1, "Aluminum Electrolytic Capacitor, UD Series, Low Impedance, 330 uF, 6.3 V, + / - 20%, -55 to 105 degC, Chip Type, 6.3 x 7.7 mm D x L, Pb-Free, Reel", Manufacturer=Nichicon, PartNumber=UUD0J331MCL1GS, Rated Capacitance="330 uF", Rated Ripple Current (at 100kHz)="280 mA", Rated Voltage="6.3 V", Tolerance Rated Capacitance="-20 to 20%", ComponentLink1Description="Manufacturer URL", ComponentLink1URL=http://www.nichicon.co.jp/, ComponentLink2Description=Datasheet, ComponentLink2URL=http://products.nichicon.co.jp/en/pdf/XJA043/e-ud.pdf, ComponentLink3Description="Package Specification", ComponentLink3URL=http://products.nichicon.co.jp/en/pdf/XJA043/e-ud.pdf, ComponentLink4Description="New link", ComponentLink4URL=https://www.thegioiic.com/tu-nhom-smd-330uf-6-3v-6-3x7-7mm, DatasheetVersion=08/2012, Diameter="6.3 mm", Endurance Time="2000 h", Impedance="0.34 Ohm", Length="7.7 mm", Mounting Technology="Surface Mount", PackageDescription="2-Pin Surface Mount Device, Diameter 6.3 mm, Height 7.7 mm, Pitch 5.4 mm", PackageReference=CAPAE-D6.3H7.7, Packing="Dia382mm Reel", RoHS=TRUE
C12 C13 C14 C15: library part "Tu 0603 22pF 50V 10%", "Dán", Chung_Loai=Dán, Don_Vi=Con, Ma_Hang=MH004570, So_Chan=2, Ten_Linh_Kien="Tụ 0603 22pF 50V 10%"
C16: library part CAP_CER_1206_1uF, "CAP CER 10uF/50V 1206", Manufacturer=Samsung, Package=1206, Part number=C1206, ComponentLink1Description="Link product", ComponentLink1URL=https://www.thegioiic.com/tu-gom-1206-1uf-50v, Cost=500
C17 C18: library part CAP_ALUM_10_10_33uF/100V, "CAP ALUM 33uF/100V 10x10.5", Manufacturer=OEM, Package=10x10.5, Part number=ALUM_33uF, ComponentLink1Description="Link product", ComponentLink1URL=https://www.thegioiic.com/tu-nhom-smd-33uf-100v-10x10-5mm, Cost=2900
C19: library part "Tu 0805 104 50V 10%", "Dán", Chung_Loai=Dán, ComponentLink1Description="New link", ComponentLink1URL=https://www.thegioiic.com/tu-gom-0805-1uf-25v, Don_Vi=Con, Ma_Hang=MH004551, So_Chan=2, Ten_Linh_Kien="Tụ 0805 104-100nF 10% 50V"
C20 C22: library part CAP_TANT_2312_100uF, "CAP TANT 100uF/10V 2312", Manufacturer=AVX, Package=2312, Part number=TAJC107K010RNJ, ComponentLink1Description="Link product", ComponentLink1URL=https://www.thegioiic.com/tu-tantalum-100uf-10v-2312-tajc107k010rnj, Cost=5000
C21: library part CAP_CER_0805_100nF, "CAP CER 100nF/50V 0805", Manufacturer=Samsung, Package=0805, Part number=C0805, ComponentLink1Description="Link product", ComponentLink1URL=https://www.thegioiic.com/tu-gom-0805-100nf-0-1uf-50v, Cost=190
C23 C24: library part CAP_CER_1210_10uF, "CAP CER 10uF/50V 1210", Manufacturer=Yageo, Package=1210, Part number=C1210, ComponentLink1Description="Link product", ComponentLink1URL=https://www.thegioiic.com/tu-gom-1210-10uf-50v, Cost=3400
D1: library part DIO_SS14, "DIODE SCHOTTKY 1A 40V SMA DO-214AA", Manufacturer=Fairchild, Package=DO-214AA, Part number=SS14, ComponentLink1Description="Link product", ComponentLink1URL=https://www.thegioiic.com/ss14-sma-diode-schottky-1a-1n5819, Cost=600
D2: library part DIO_SS54, "DIODE SCHOTTKY 5A 40V SMB", Manufacturer=Vishay, Package=SMB, ComponentLink1Description="Link product", ComponentLink1URL=https://www.thegioiic.com/ss54-smb, Cost=1800, Part number=SS54
D3: library part DIO_MBRS340T3, "DIODE SCHOTTKY 4A 40V SMC DO-214AB", Manufacturer=Fairchild, Package=DO-214AB, Part number=SS14, ComponentLink1Description="Link product", ComponentLink1URL=https://www.thegioiic.com/mbrs340t3-diode-schottky-4a, Cost=2000
D4: library part DIO_ZMM15, "ZMM15 15V 500mW SMD SOD-80", Manufacturer="On Semiconductor", Package="SOD-80 2L", Part number=ZMM15, ComponentLink1Description="Link product", ComponentLink1URL=https://www.thegioiic.com/rlz30b-diode-zener-27-70-29-13v-500mw-smd, Cost=250
D5: library part CMP-0548-00227-2, "Transient Voltage Suppressor, 6.40 to 231 V, 28 V Stand-off Voltage, Uni-Directional, -55 to 155 degC, 2-pin DO-214AC, Pb-Free, Tape and Reel", Manufacturer="Vishay Semiconductor", Operating Junction and Storage Temperature Range="-55 to 150 degC", ComponentLink4Description="New link", ComponentLink4URL=https://www.thegioiic.com/smaj28a-e3-61-tvs-diode-28v-45-4v-do214ac, DatasheetVersion=12/8/2013, ID (uA)=1, IFSM="40 A", Mounting Technology="Surface Mount", PackageDescription="2-Pin DO-214AC (SMA), Body 4.245 x 2.665 mm", PackageReference=DO-214AC-2, Packing="Tape and Reel", PartNumber=SMAJ28A-E3/61, PPPM (W)="400, 300", RoHS=TRUE, VBR Uni-Directional (V)="6.4 to 231", VWM (V)=28
D6: library part "Diode S4", "Dán", Chung_Loai=Dán, ComponentLink1Description="New link", ComponentLink1URL=https://www.thegioiic.com/bzt52c5v1-diode-zener-5-1v-500mw, Don_Vi=Con, Ma_Hang=MH005519, Ten_Linh_Kien="Diode S4 SOD123 ( 1N5819 SOD123)"
F1: library part FUSE_16V_2.5A, "MF-MSMF250/16 16V 2.5A1812", Manufacturer=Bourns, Package=1812, ComponentLink1Description="Link product", ComponentLink1URL=https://www.thegioiic.com/mf-msmf150-24x-2-cau-chi-tu-phuc-hoi-1812-24v-1-5a, Cost=3000, Part number=1812
FAN: library part "Header 2P 2.54 Duc Thang", "Cắm", Chung_Loai=Cắm, Don_Vi=Con, Ma_Hang=MH001283, Ten_Linh_Kien="Header 2P XH2.54-2P Đực Thẳng"
H1: library part "Header 2P VH3.96 Duc Thang", "Cắm", Chung_Loai=Cắm, Don_Vi=Con, Ma_Hang=MH001283, Ten_Linh_Kien="Header 2P XH2.54-2P Đực Thẳng"
J1 J2 J3: library part CMP-0275-00001-2, "RF Connector, Onboard Receptacle, IPEX MHFIII", Housing Color=Gold, Manufacturer=Taoglas, PartNumber=RECE-20369-001E-01, ComponentLink1Description="Manufacturer URL", ComponentLink1URL=http://www.taoglas.com/, ComponentLink2Description=Datasheet, ComponentLink2URL=http://www.taoglas.com/images/product_images/original_images/RECE.20369.001E.01.pdf, ComponentLink3Description="Package Specification", ComponentLink3URL=http://www.taoglas.com/images/product_images/original_images/RECE.20369.001E.01.pdf, DatasheetVersion="Rev. C", Mounting Technology="Surface Mount", PackageDescription="4-Pin, Hand Drawn, Body 1.7x1.7mm", PackageReference=RECE-20369-001E-01-4, PackageVersion="Rev. C", Packing="Tape and Reel"
L1 L2 L3 L6: library part "LED 0805 Do", "Dán", Chung_Loai=Dán, Don_Vi=Con, Ma_Hang=MH000897, Ten_Linh_Kien="LED 0805 Màu Đỏ (Red)"
L4: library part IND_33uH_4.2A_1280, "CDRH127 IND 33uH 4.2A 12x12x8", Manufacturer=OEM, Package=1280, Part number=CDRH127, ComponentLink1Description="Link product", ComponentLink1URL=https://www.thegioiic.com/cdrh127-cuon-cam-dan-smd-1280-330-33uh-4-2a, Cost=3200
L5: library part FERRITE_BEAD_2.7A_80, "FERRITE BEAD 2.7A 80 OHM 0805", Manufacturer="Taiyo Yuden", Package=0805, Part number=FBMH2012HM800-T, ComponentLink1Description="Link product", ComponentLink1URL=https://www.thegioiic.com/fbmh2012hm800-t-ferrite-bead-80-ohm-0805, Cost=2000
MD1: library part CMP-204316-000001-1, "RX TXRX MODULE ISM < 1GHZ SMD", Case/Package=SMD/SMT, Current - Receiving=12.1mA, Current - Transmitting=120mA, Frequency=868MHz, Max Operating Temperature=70°C, Min Operating Temperature=-20°C, Data Rate=300Kbps, Interface=SPI, Mount="Surface Mount", Packaging=Bulk, Sensitivity=-123dBm
P1: "Header, 13-Pin, Dual row", LatestRevisionDate=17-Jul-2002, LatestRevisionNote="Re-released for DXP Platform.", Publisher="Altium Limited"
P2: library part CMP-1502-01886-1, "Serie 322 - 3.81mm Horizontal PCB Header WR-TBL, 2 pin", Manufacturer="Wurth Elektronik", Operating Temperature=-40to105degC, Package Reference=691322310002, Datasheet URL=http://katalog.we-online.de/em/datasheet/6913223100xx.pdf, Gender=Male, Manufacturer URL=http://www.we-online.de, Mounting Technology=THT, Packaging=Box, Part number=691322310002, Pin Number=2, Pitch=3.81mm, Publisher=WurthElektronik
Q1 Q2: library part BJT_NPN_MMBT2222A, "MMBT2222A NPN 40V 0.6A", Manufacturer=OEM, Package=SOT-23, ComponentLink1Description="Link product", ComponentLink1URL=https://www.thegioiic.com/mmbt2222a-transistor-npn-40v-0-6a-3-chan-sot-23, Cost=500, Part number=MMBT2222A
Q3 Q5 Q6: library part CMP-1177-00080-1, "NPN Silicon AF Transistor, 45 V VCEO, 100 mA IC, SOT323, Reel, Green", Manufacturer=Infineon, ComponentLink1Description="Manufacturer URL", ComponentLink1URL=http://www.infineon.com/, ComponentLink2Description=Datasheet, ComponentLink2URL=http://www.infineon.com/dgdl/bc847series_bc848series_bc849series_bc850series.pdf?folderId=db3a304314dca389011541d30fa21656&fileId=db3a304314dca389011541d4630a1657, ComponentLink3Description="Package Specification", ComponentLink3URL=http://www.infineon.com/dgdl/SOT323-Package_Overview.pdf?folderId=db3a30431936bc4b0119533e1dcb3c92&fileId=db3a30431936bc4b011953495f283cb1, fT (typ)="250Â MHz", Green=TRUE, Halogen-free=TRUE, IBM (max)="200Â mA", IC (max)="100Â mA", ICBO (max)="15Â nA", ICM (max)="200Â mA", Mounting Technology="Surface Mount", PackageDescription="3-Pin Small Outline Transistor Package, 1.25 x 2 mm Body, 0.65 mm Pitch", PackageReference=SOT323, Packing=Reel, PartNumber=BC847BW, Polarity=NPN, Ptot (max)="250Â mW", VCBO (max)="50Â V", VCEO (max)="45Â V", VEBO (max)="6Â V"
Q4 Q7: library part CMP-12801-000044-2, "MOSFET N-CH 50V 500MA SOT23", Case/Package=SOT-23, Continuous Drain Current (ID)=500mA, Drain to Source Resistance=1.8R, Drain to Source Voltage (Vdss)=50V, Gate to Source Voltage (Vgs)=20V, Input Capacitance=40pF, Max Operating Temperature=150°C, Max Power Dissipation=600mW, Min Operating Temperature=-55°C, Package Quantity=3000, Contact Plating=Tin, Element Configuration=Single, Fall Time=8.3ns, Height=1mm, Lead Free="Lead Free", Length=3mm, Mount="Surface Mount", Number of Channels=1, Number of Elements=1, Number of Pins=3, Packaging="Tape and Reel", Power Dissipation=600mW, Radiation Hardening=No, Rds On Max=1.8R, REACH SVHC="No SVHC", Rise Time=2.99ns, Turn-Off Delay Time=9.45ns, Turn-On Delay Time=2.93ns, Weight=0.000282oz, Width=1.4mm
R1 R2 R3 R4 R6 R10 R36 R37 R38: library part "Tro 0603 1% 4.3 k", "Dán", Chung_Loai=Dán, Don_Vi=Con, Ma_Hang=MH008715, So_Chan=2, Ten_Linh_Kien="Trở 0603 1% 4.3k"
R5 R7 R8: library part "Tro 0603 5% 220R", "Dán", Chung_Loai=Dán, Don_Vi=Con, Ma_Hang=MH006322, So_Chan=2, Ten_Linh_Kien="Trở 0603 5% 220R"
R9 R11 R13 R14 R15 R16 R18 R19 R20: library part "Tro 0603 5% 1k", "Dán", Chung_Loai=Dán, Don_Vi=Con, Ma_Hang=MH006319, So_Chan=2, Ten_Linh_Kien="Trở 0603 5% 1k"
R12 R17 R21: library part "Tro 0603 5% 100k", "Dán", Chung_Loai=Dán, Don_Vi=Con, Ma_Hang=MH006314, So_Chan=2, Ten_Linh_Kien="Trở 0603 5% 100k"
R22 R23 R24 R25 R26 R27 R28 R29: library part "Tro 0603 1% 1k", "Dán", Chung_Loai=Dán, Don_Vi=Con, Ma_Hang=MH006334, So_Chan=2, Ten_Linh_Kien="Trở 0603 1% 1k"
R30: library part RES_1206_3.3K, "RES 1206 3.3K", Manufacturer=OEM, Package=1206, Part number=R1206, ComponentLink1Description="Link product", ComponentLink1URL=https://www.thegioiic.com/dien-tro-3-3-kohm-1206-1-, Cost=116
R31: library part "Tro 0805 5% 20k", "Dán", Chung_Loai=Dán, ComponentLink1Description="New link", ComponentLink1URL=https://www.thegioiic.com/dien-tro-100-kohm-0805-1, Don_Vi=Con, Ma_Hang=MH005247, So_Chan=2, Ten_Linh_Kien="Trở 0805 5% 20k"
R32 R34 R35: library part RES_0805_0K, "RES 0805 0K", Manufacturer=OEM, Package=0805, Part number=R0805, ComponentLink1Description="Link product", ComponentLink1URL=https://www.thegioiic.com/dien-tro-2-kohm-0805-1, Cost=48
R33: library part "Tro 0805 5% 47k", "Dán", Chung_Loai=Dán, ComponentLink1Description="New link", ComponentLink1URL=https://www.thegioiic.com/dien-tro-43-kohm-0805-5, Don_Vi=Con, Ma_Hang=MH005320, So_Chan=2, Ten_Linh_Kien="Trở 0805 5% 47k"
SW: library part SW_SPDT_2PIN, "SMD Mini Push Button Switch 2 Pin 3x6x2.7mm", Manufacturer=OEM, Part number="SPST 2 PIN SMD", ComponentLink1Description="Link product", ComponentLink1URL=https://www.thegioiic.com/nut-nhan-3-5x6mm-cao-2-5mm-2-chan-smd-dau-trang, Cost=600
U1: library part SIMA7600C
U2: library part CMP-2000-05325-1, "GPS Module L80 Hardware Design, 1575.42 MHz, 3 to 4.3 V, -40 to 85 degC, 12-Pin SMD, RoHS, Tape and Reel", Manufacturer=Quectel, Maximum Operating Frequency=1575.42MHz, Maximum Operating Supply Voltage=4.3V, Minimum Operating Supply Voltage=3V, Typical Operating Supply Voltage=3.3V, Datasheet URL=http://www.quectel.com/uploadimage/downlad/l80_hardware_design_v1.1.pdf, Datasheet Version="Rev. V1.1, 08/2013", Manufacturer URL=http://www.quectel.com/, Mounting=SurfaceMount, Screening Level=ExtendedIndustrial
U3: library part Micro_Sim_7Pin, "MS-PP-7P Khay Cắm Micro Sim 7 Chân Push-Push", Manufacturer=Samsung, Package=0805, Part number=C0805, ComponentLink1Description="Link product", ComponentLink1URL=https://www.thegioiic.com/tu-gom-0805-1-5nf-50v, Cost=200
U4 U5: library part CMP-1651-00009-2, "IC UART I2C/SPI 24-HVQFN", Max Operating Temperature=95°C, Max Supply Current=6mA, Max Supply Voltage=3.6V, Min Operating Temperature=-40°C, Min Supply Voltage=2.3V, Operating Supply Voltage=3.3V, Package Quantity=1500, Data Rate=5Mbps, Lead Free="Lead Free", Memory Size=64B, Mount="Surface Mount", Nominal Supply Current=6mA, Number of Channels=1, Number of Pins=24, Operating Supply Current=6mA, Packaging="Tape and Reel", Radiation Hardening=No
U6: "XL4015E1 Buck converter 5A TO 263", Manufacturer=XLSEMI, Package=TO-263-5, Part number=XL4015E1, ComponentLink1Description="Link product", ComponentLink1URL=https://www.thegioiic.com/xl4015e1-ic-dieu-chinh-giam-ap-5a-to-263-5, Cost=16000
U7: library part CMP-06324-000007-1, "IC REG LINEAR POS ADJ 3A TO263-5", Dropout Voltage=370mV, Manufacturer=Microchip, Max Junction Temp=+125°C, Max Supply Voltage=26V, Min Supply Voltage=2.25V, Nominal Supply Current=10-37mA, Output Current=3A, Output Voltage=3.3-12V, Package=C04-012, Temperature="-40°C to +125°C", Temperature Range Low=-40°C, Accuracy Percentage=1%, Automotive=No, Category=IC, ComponentLink3Description="New link", ComponentLink3URL=https://www.thegioiic.com/mic29302-ic-dieu-chinh-dien-ap-3a, Device Class L1="Integrated Circuits (ICs)", Device Class L2="Power Management ICs", Device Class L3="Voltage Regulators - Linear", Digikey Description="IC REG LINEAR POS ADJ 3A TO263-5", Height=0.2inch, Lead Free=Yes, Manufacturer Part Number=MIC29302WU-TR, Mouser Description="LDO Voltage Regulators", Number Of Outputs=1, Octopart=https://octopart.com/mic29302wu-tr-microchip-66801318, Output Type=AdjustableProgrammable, RoHS=TRUE, Standoff Height=0mm, Temperature Range High=+125°C
U8: library part CMP-1061-00157-1, "5-Line Transient Voltage Suppressor Array, 6-Pin SC70, Pb-Free, Tape and Reel", Manufacturer="On Semiconductor", ComponentLink1Description="Manufacturer URL", ComponentLink1URL=http://www.onsemi.com/, ComponentLink2Description=Datasheet, ComponentLink2URL=http://www.onsemi.com/pub_link/Collateral/SMF05C-D.PDF, ComponentLink3Description="Package Specification", ComponentLink3URL=http://www.onsemi.com/pub_link/Collateral/SMF05C-D.PDF, DatasheetVersion="Rev. 4", Direction=Unidirectional, IR Max (uA)=5, Mounting Technology="Surface Mount", PackageDescription="6-Pin Small Outline Transistor, Body 2 x 1.25 mm, Pitch 0.65 mm", PackageReference=SC70-6-419B-02_W, PackageVersion="Rev. W", Packing="Tape and Reel", PartNumber=SMF05CT2G, PPK Max (W)=100, RoHS=Pb-Free
U9 U10: library part CMP-0859-00206-4, "IC TRNSLTR BIDIRECTIONAL SOT23-6", Case/Package=SOT-23, High Level Output Current=-32mA, Low Level Output Current=32mA, Max Operating Temperature=85°C, Max Supply Voltage=5.5V, Min Operating Temperature=-40°C, Min Supply Voltage=1.65V, Package Quantity=3000, Quiescent Current=3uA, Contact Plating=Gold, Data Rate=420Mbps, Direction=Bidirectional, Height=1.75mm, Lead Free="Lead Free", Length=3.05mm, Logic Function=Translator, Mount="Surface Mount", Number of Bits=1, Number of Channels=1, Number of Elements=1, Number of Inputs=1, Number of Pins=6, Packaging="Tape and Reel", Polarity=Non-Inverting, Propagation Delay=3.9ns, Radiation Hardening=No, REACH SVHC="No SVHC", Turn-On Delay Time=36.2ns, Weight=0.000229oz, Width=1.3mm
Y1 Y2: library part CMP-27762-009747-1, "Crystal 14.7456MHz ±10ppm 10pF SMD-4 5mm x 3.2mm", Case/Package=CSMD, ESR (Equivalent Series Resistance)=70R, Frequency=14.7456MHz, Frequency Stability=10ppm, Load Capacitance=10pF, Max Operating Temperature=60°C, Min Operating Temperature=-10°C, Operating Frequency="14.7456 MHz", Package Quantity=1000, Resistor Type=Ceramic, Depth=3.2mm, Frequency Tolerance=10ppm, Height=0.043inch, Lead Free="Lead Free", Length=5mm, Mount="Surface Mount", Number of Pins=4, Packaging="Tape and Reel", REACH SVHC="No SVHC", Series=ABM3B, Series Resistance=70R, Termination=SMD/SMT, Tolerance=10ppm, Width=0.126inch

## Free pads (board coordinates)
  round 177.17 hole 98.43: ""(121.87,104.17) ""(121.87,2090.16) ""(3472.87,104.17) ""(3472.87,2090.16)

## Via types
v1: diameter 20, hole 15, Top Layer to Bottom Layer, tented both sides, 92 vias
v2: diameter 25, hole 15, Top Layer to Bottom Layer, tented both sides, 48 vias

## Nets (pads, with @x,y where several pads share a name; then routed paths per layer and width w, separated by ;. In a path a pad name is that pad's centre, name@x,y a point inside that pad or via, vN(x,y) a via of type N, cw(c..) or ccw(c..) an arc to the next point about the centre after c; other vN are vias at no path point)
+1V8: Q4.1 Q7.1 R9.2 R13.1 R19.1 U1.15 U9.6 U10.1 | length 2880.8
  Top Layer w20: U1.15@2751,1973.75 2751.14,1973.61 2751.14,1943.45 2751,1943.3 2751,1846.76 2762.72,1835.04 v2@2972.65,1835.04
  Bottom Layer w10: Q4.1@3349.98,1235.52 3353.37,1232.12 3369.88,1232.12 3413,1189 3444,1189 3465,1210 v2(3465,1239)
  Bottom Layer w20: R9.2@2938,1358.53 2938,1451 2974,1487 v2(2974,1836) 2974,1955.28 2985.72,1967 3015,1967 ; U10.1@3015.2,1805 3015.09,1805.11 3015.09,1966.91 3015,1967 ; U9.6@3233.4,1805.33 3233.87,1805.79 3233.87,1854.3 3234,1854.43 ; 3233.4,1854.3 3233.4,1952 ; Q4.1@3349.98,1235.52 3349.98,1245.59 3350.74,1246.36 3354.76,1246.36 3366.47,1258.07 R13.1@3366.47,1310 ; v2(3465,1239) 3530,1239 3554,1263 3554,1799 3502.25,1850.75 3476.74,1850.75 3475.98,1851.52 Q7.1@3475.98,1858.52 3476.74,1859.28 3476.74,1904.27 R19.1@3480.47,1908 3471.94,1916.53 3471.94,1940.28 3460.23,1952 3233.4,1952 ; 3015,1967 3232,1967 3233.4,1965.6 3233.4,1952